# Altium PCB PDM.PcbDoc (part 1 of 4)
Units mm, origin at the board's own origin, x right, y up, seen from the top; angles counter-clockwise.
Board outline 90.17 x 95.89 mm, 6 copper layers (Top Layer (SIG), Layer 1 (GND), Layer 3 (SIG), Layer 4 (PWR), Layer (GND), Bottom Layer (SIG)), stack 0.816 mm thick; 331 components, 196 nets, 1111 pads, 817 vias.
Unrouted connection lines stored in the file: 2.
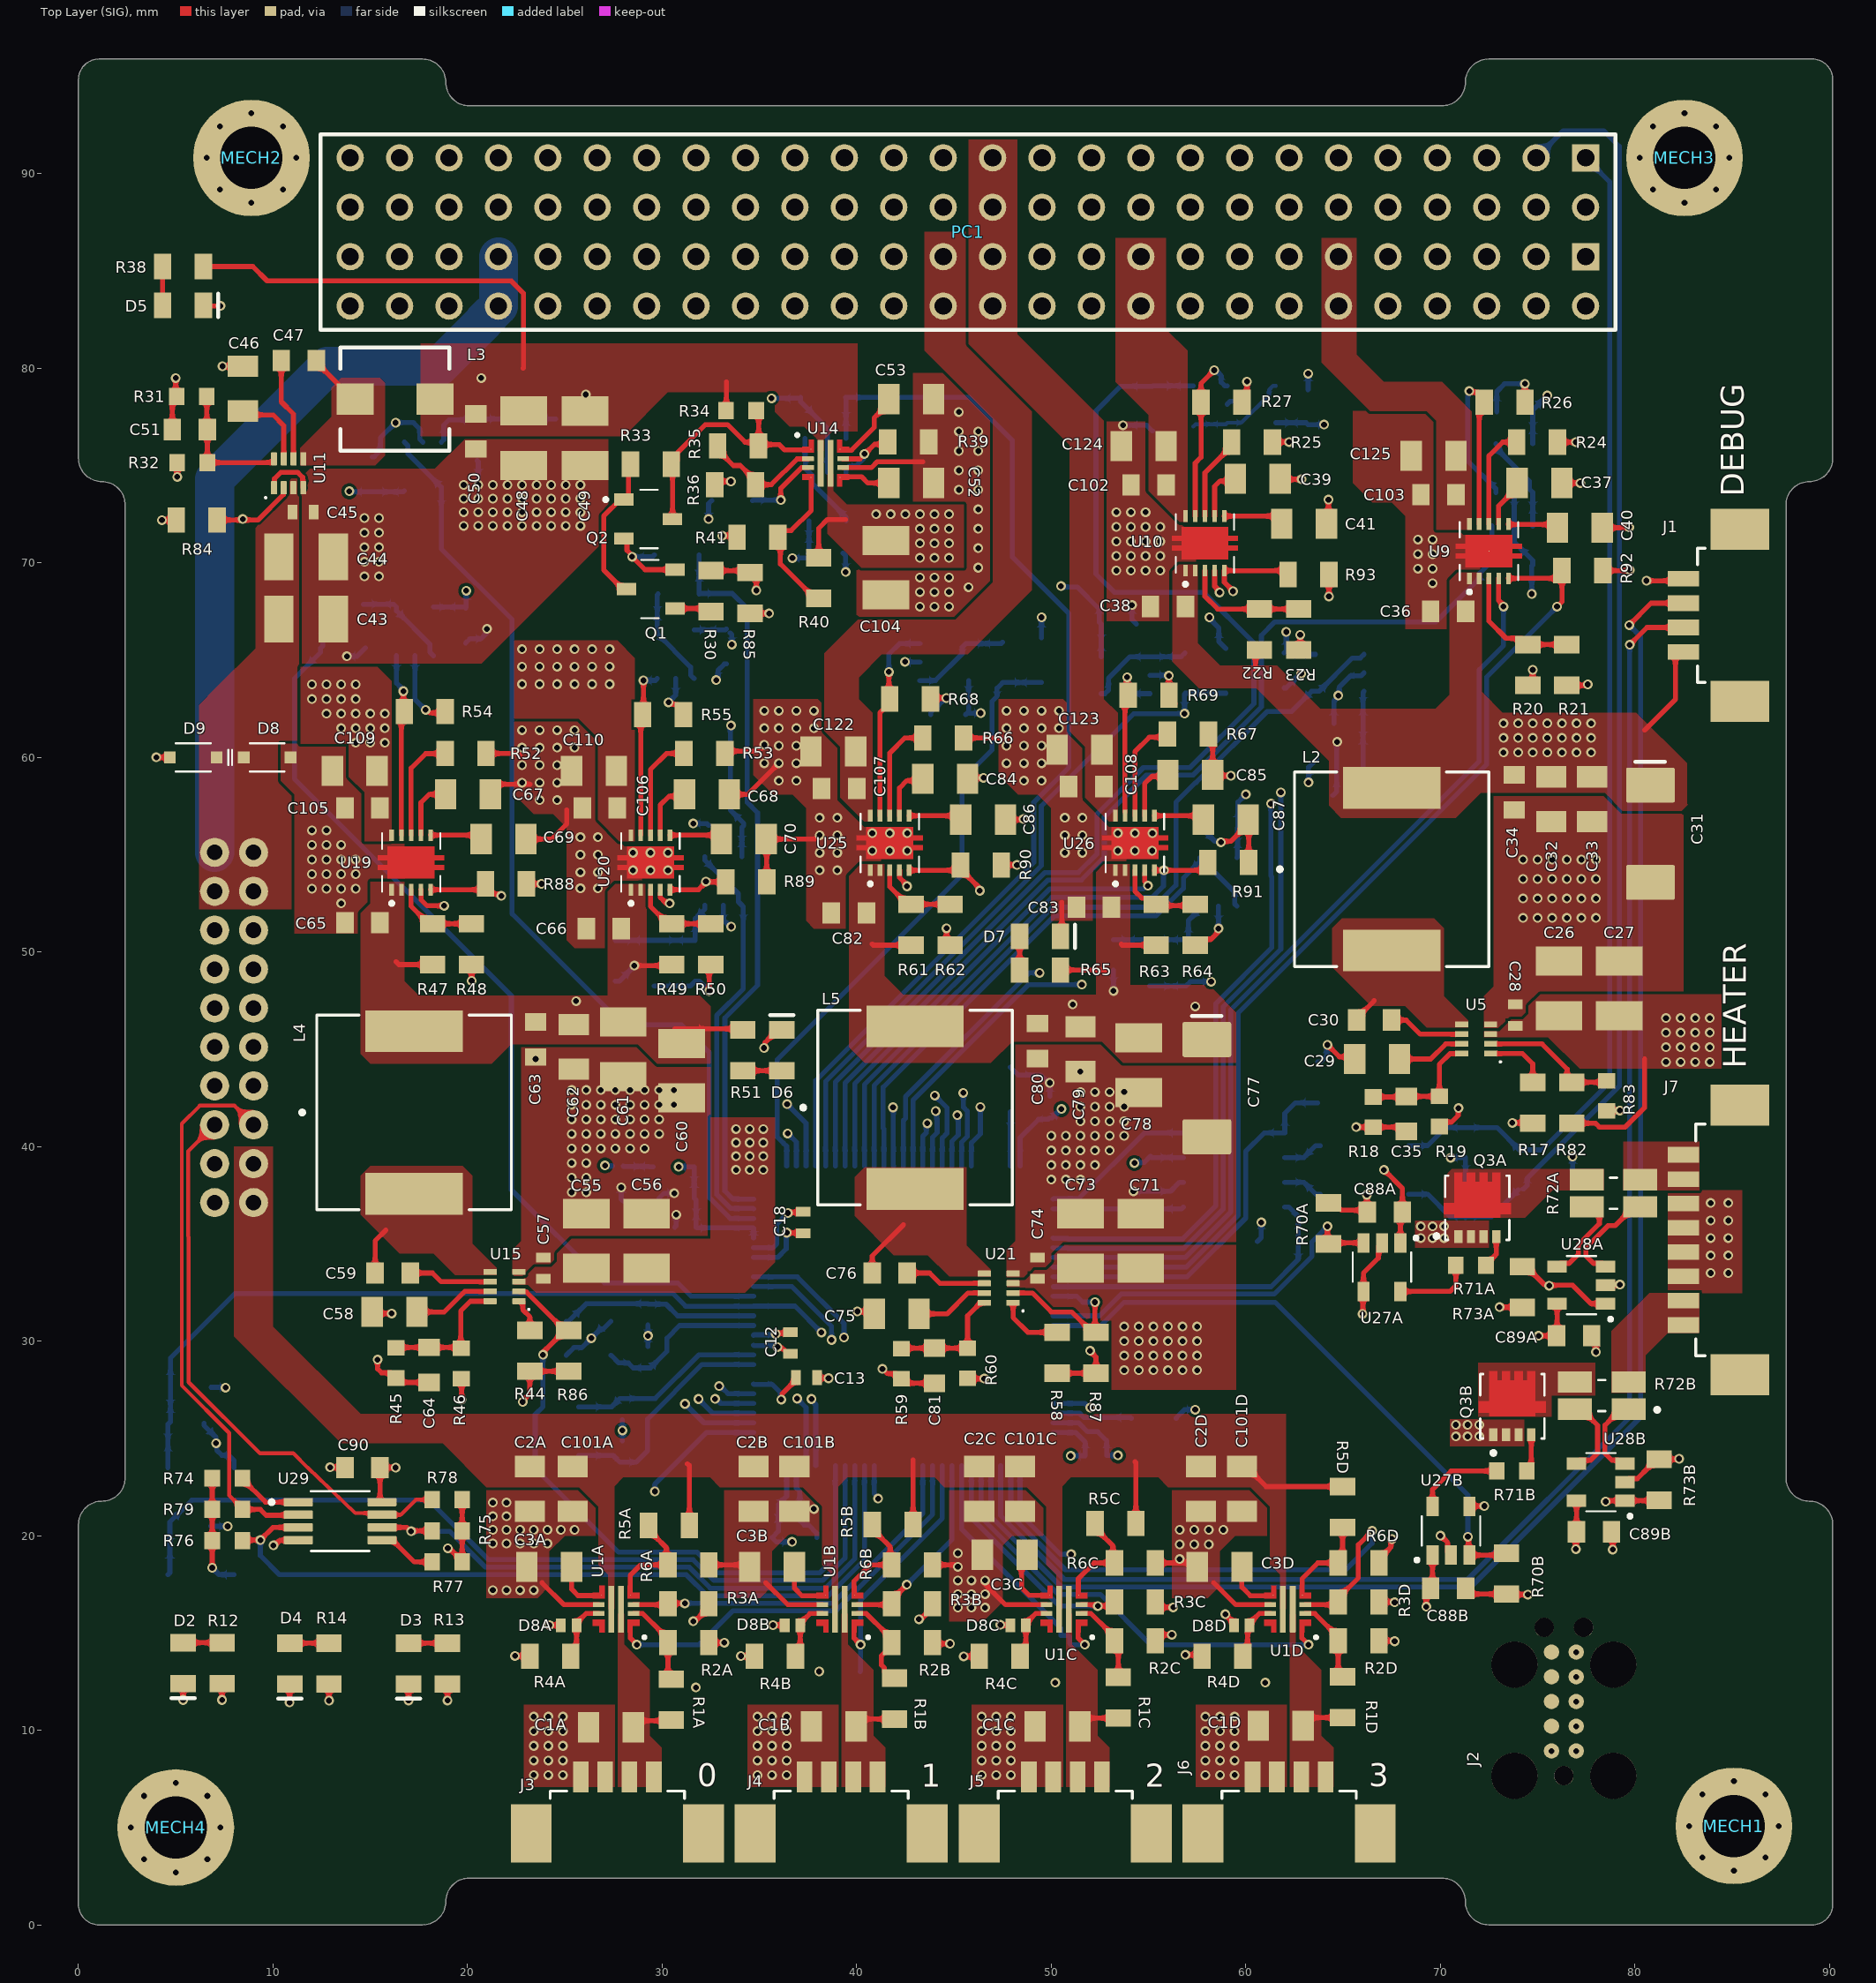
[diagram p0: Top Layer (SIG) view]
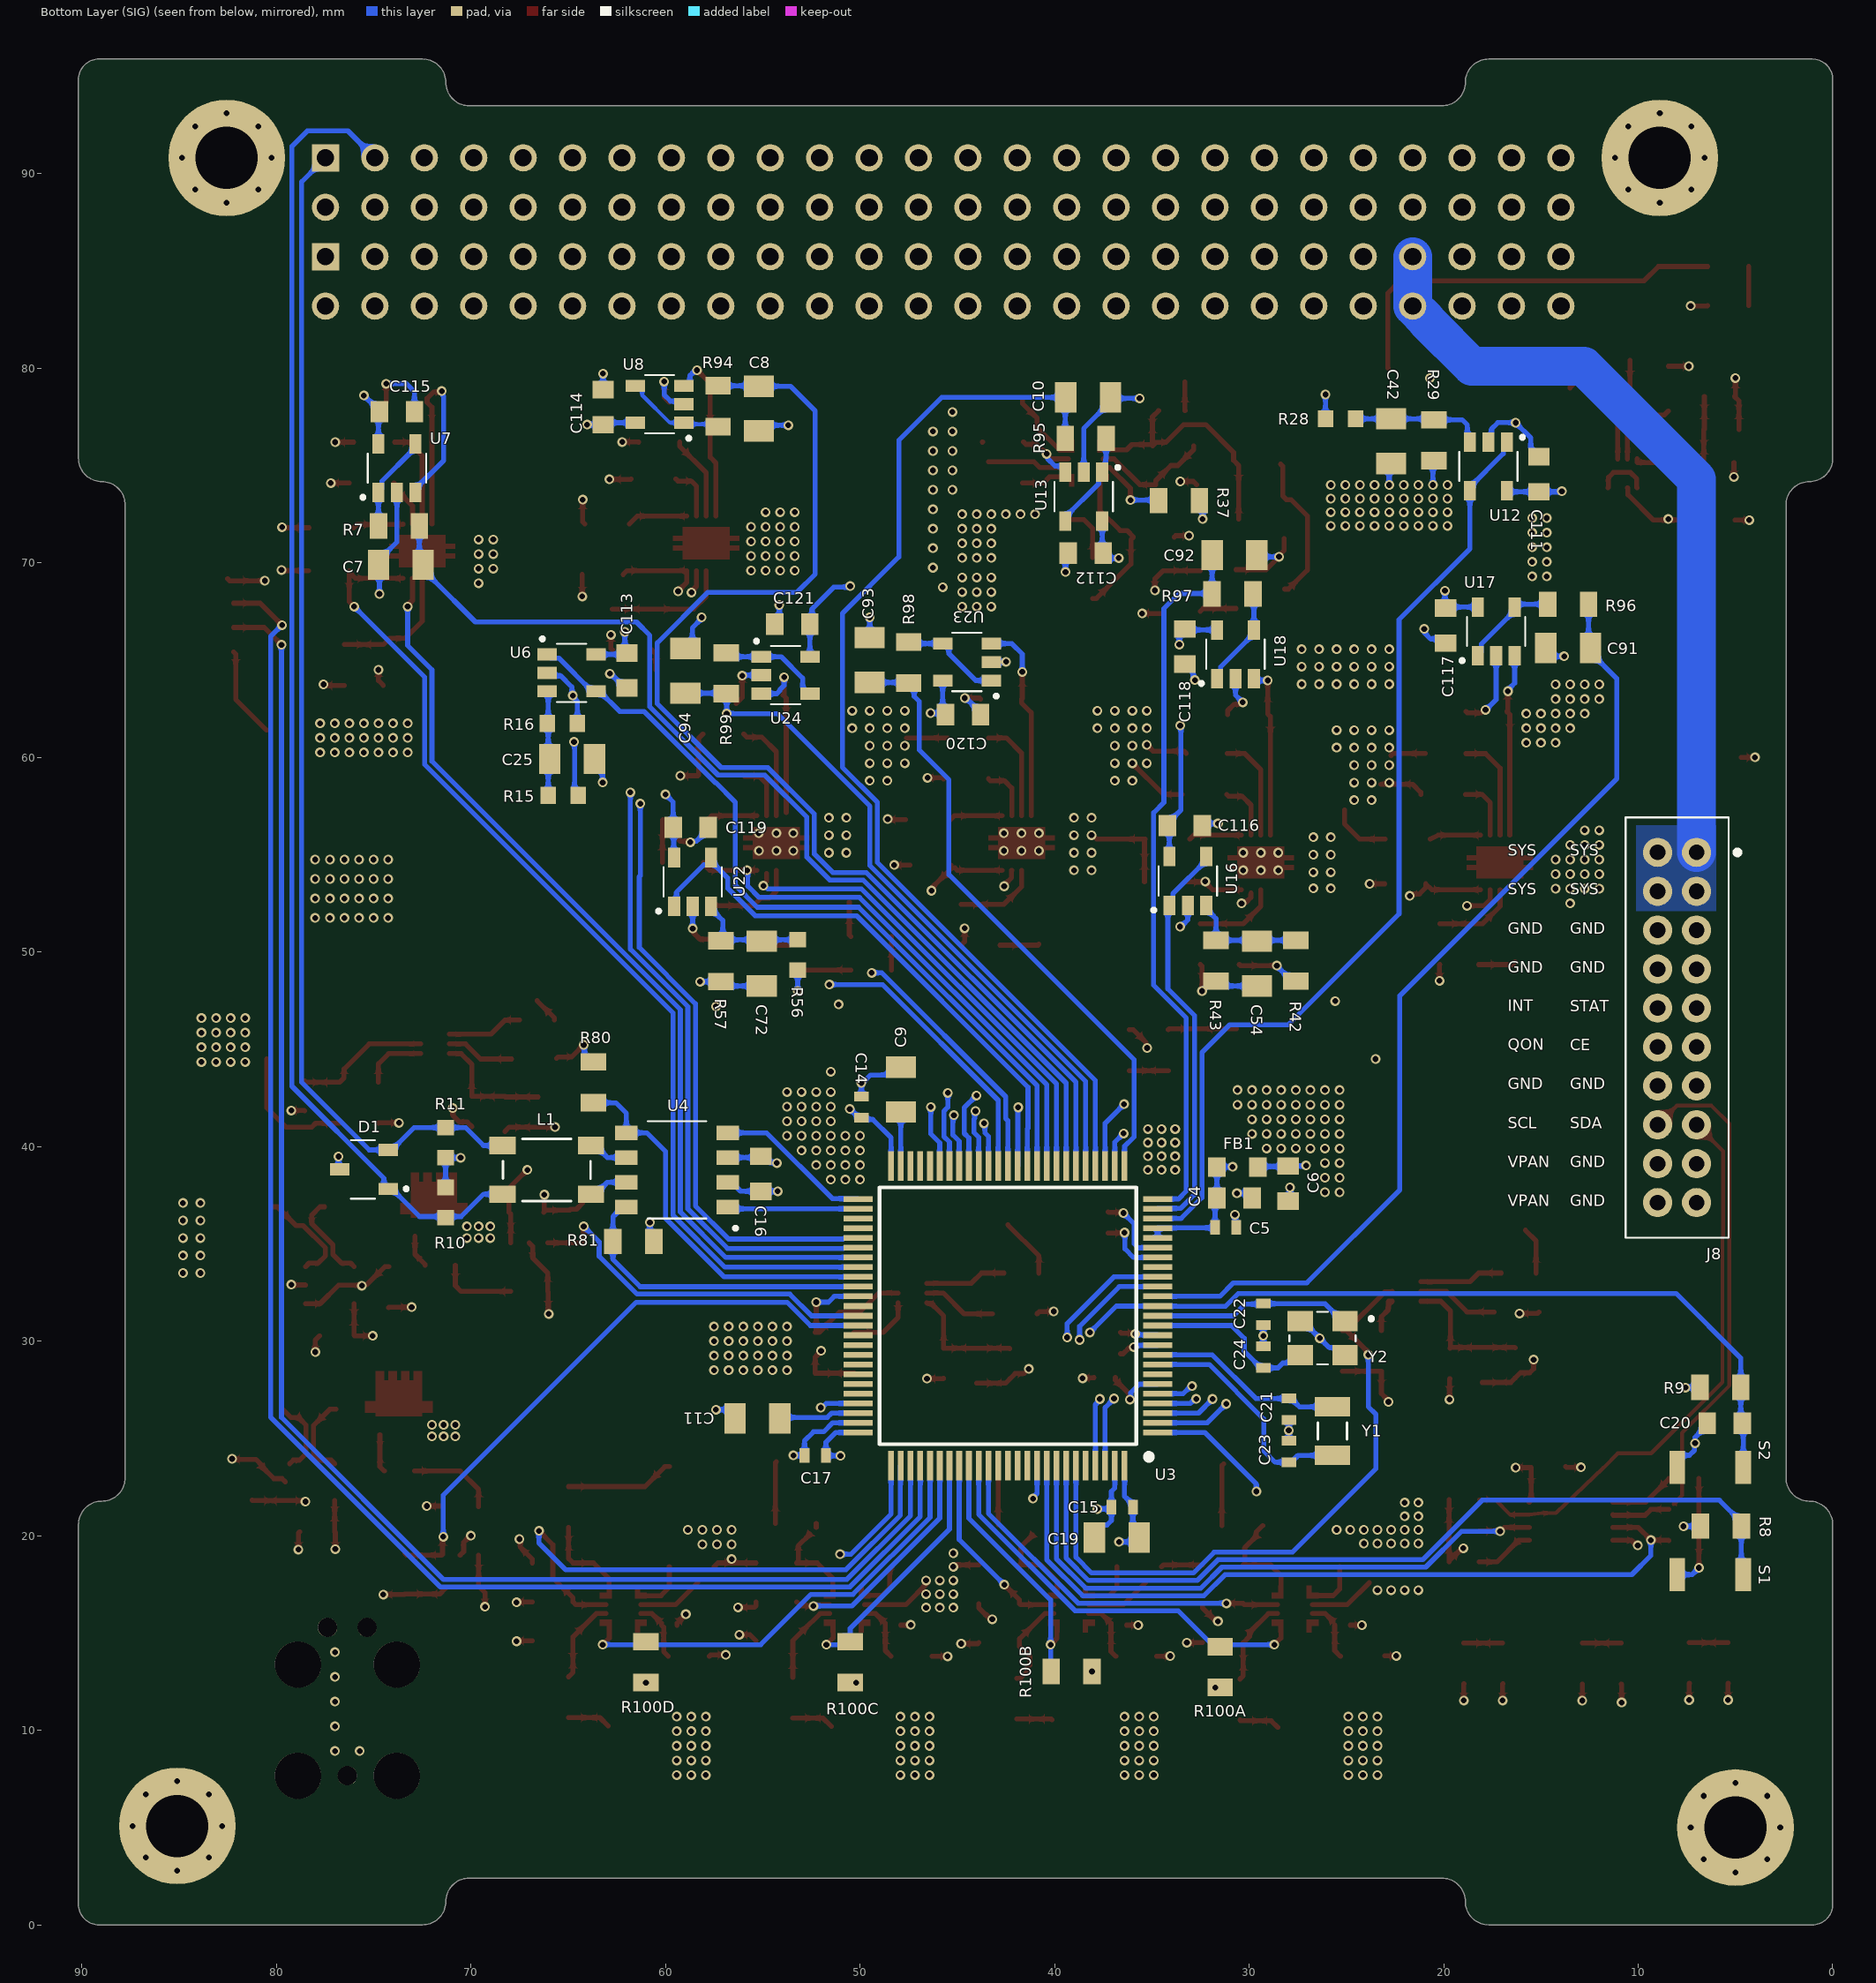
[diagram p1: Bottom Layer (SIG) view, seen from below]
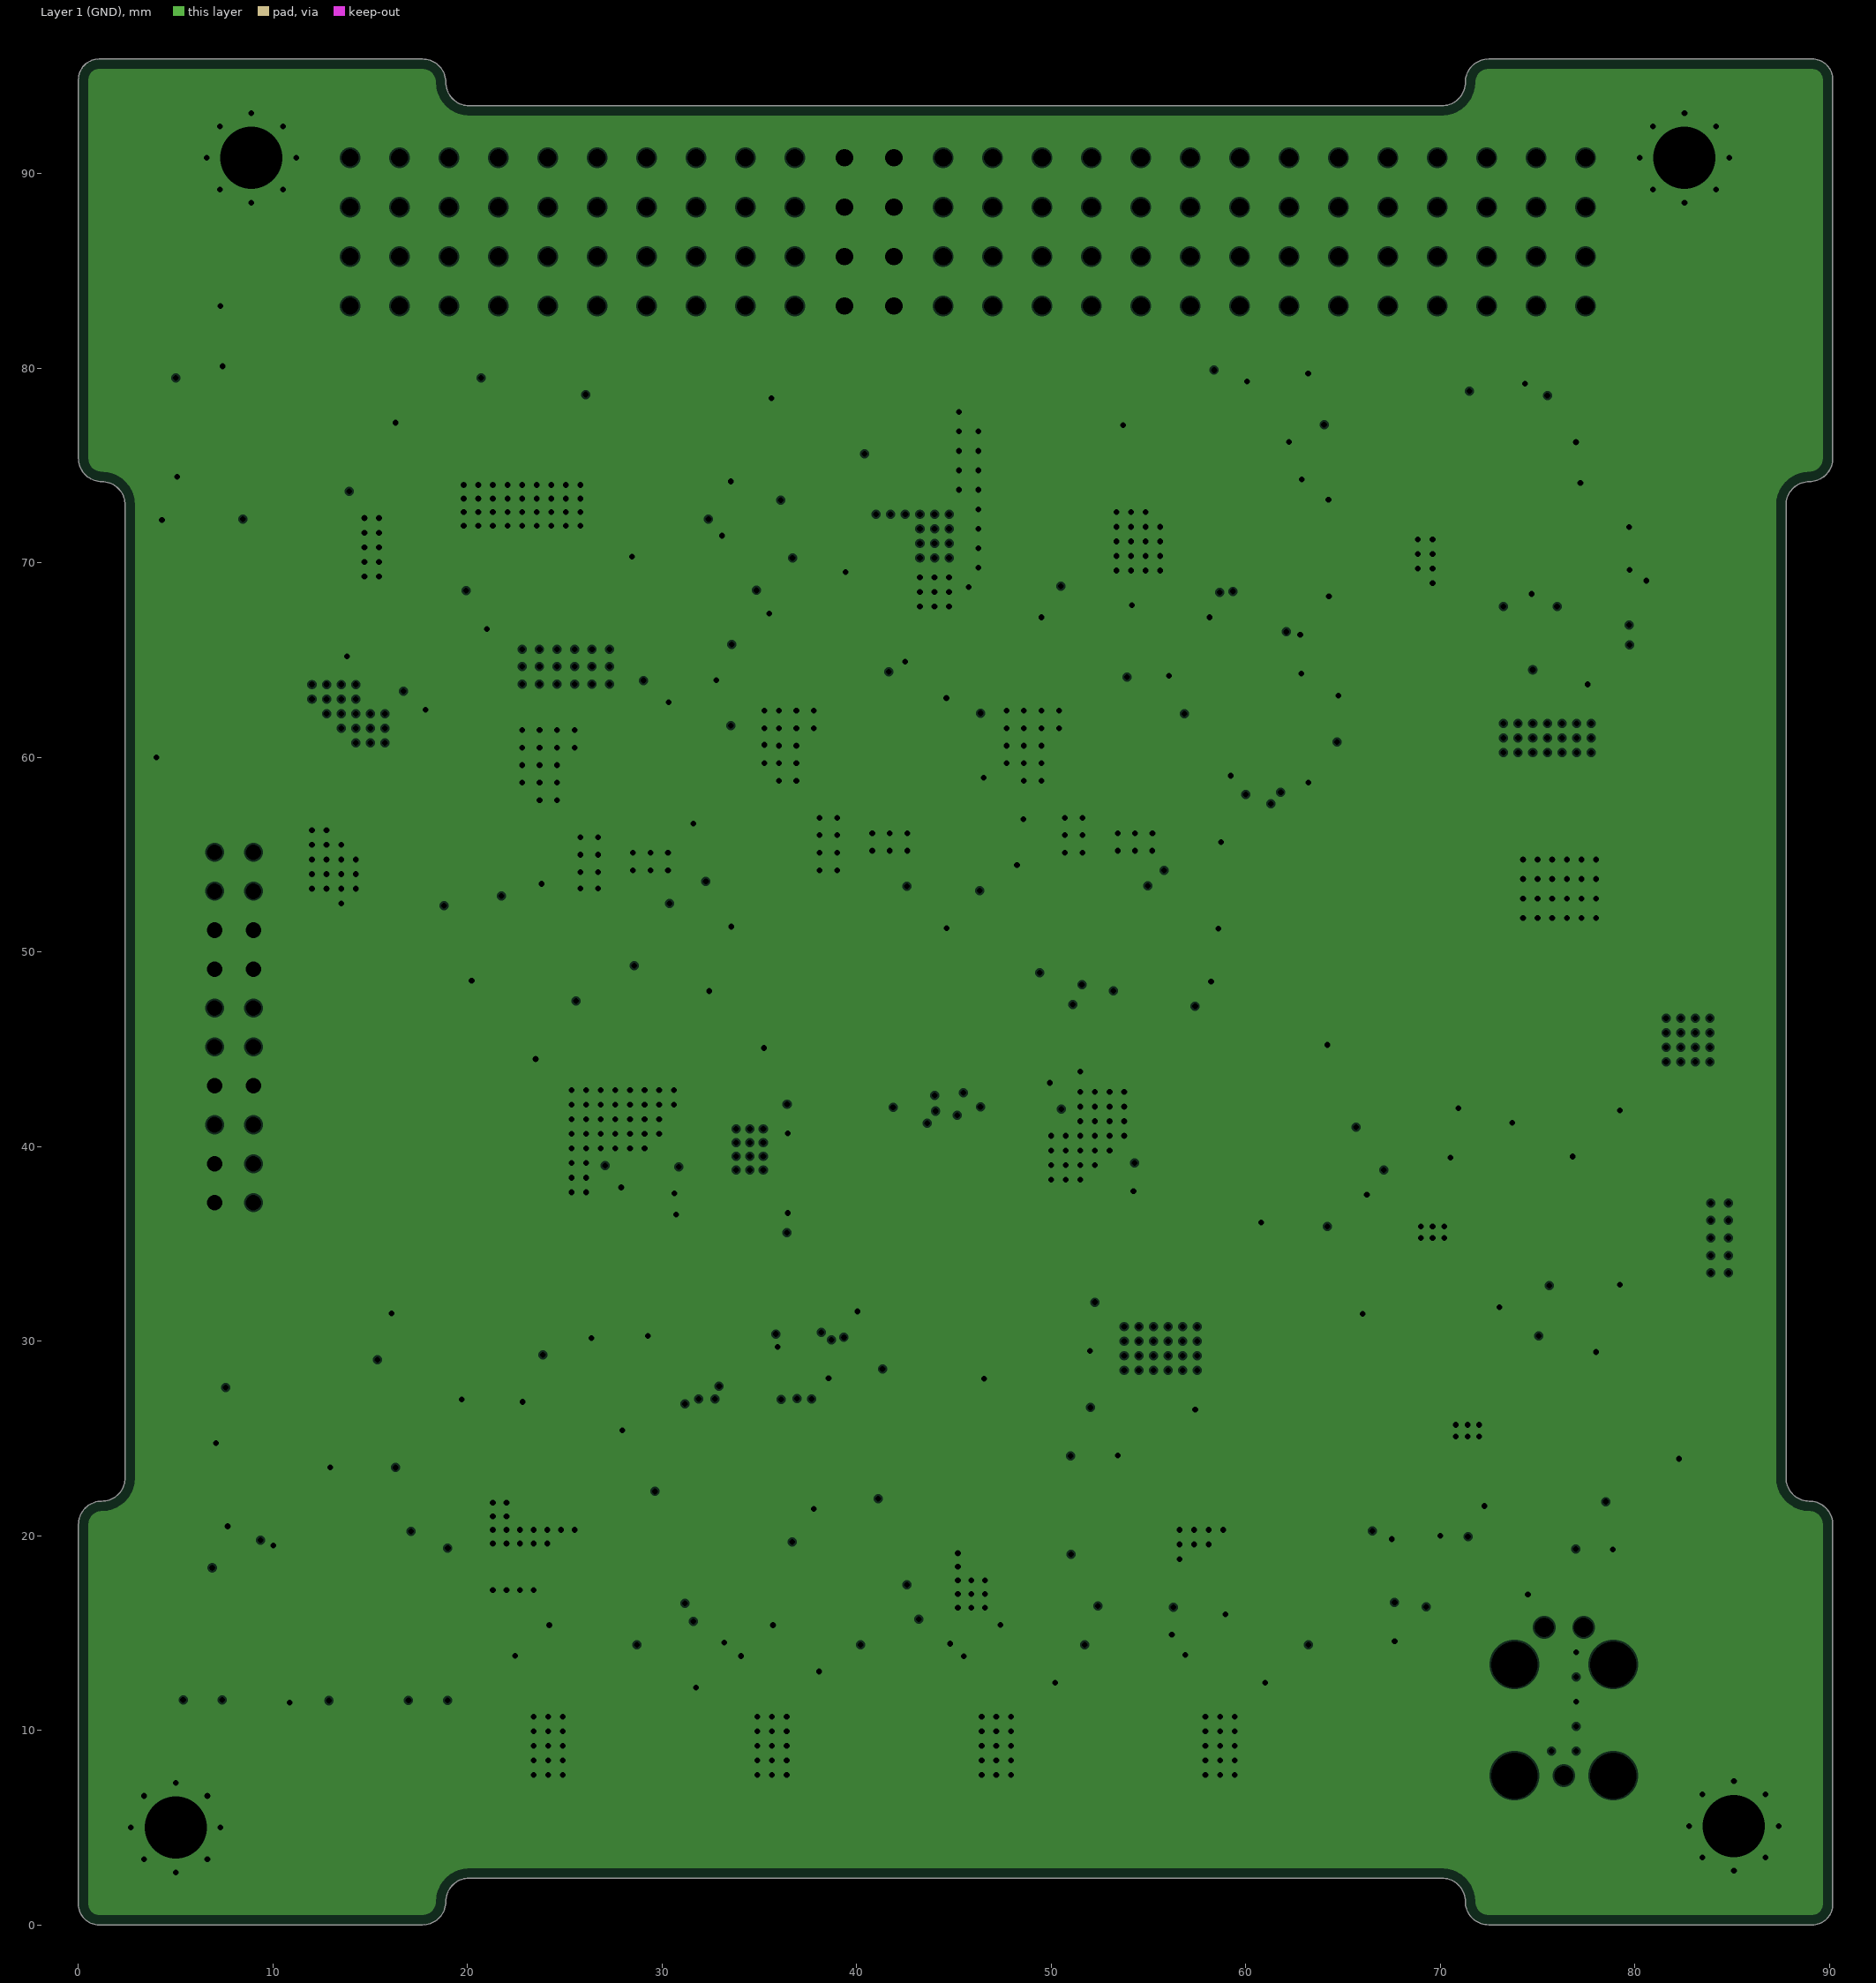
[diagram p2: Layer 1 (GND), clearances drawn from the general rule]
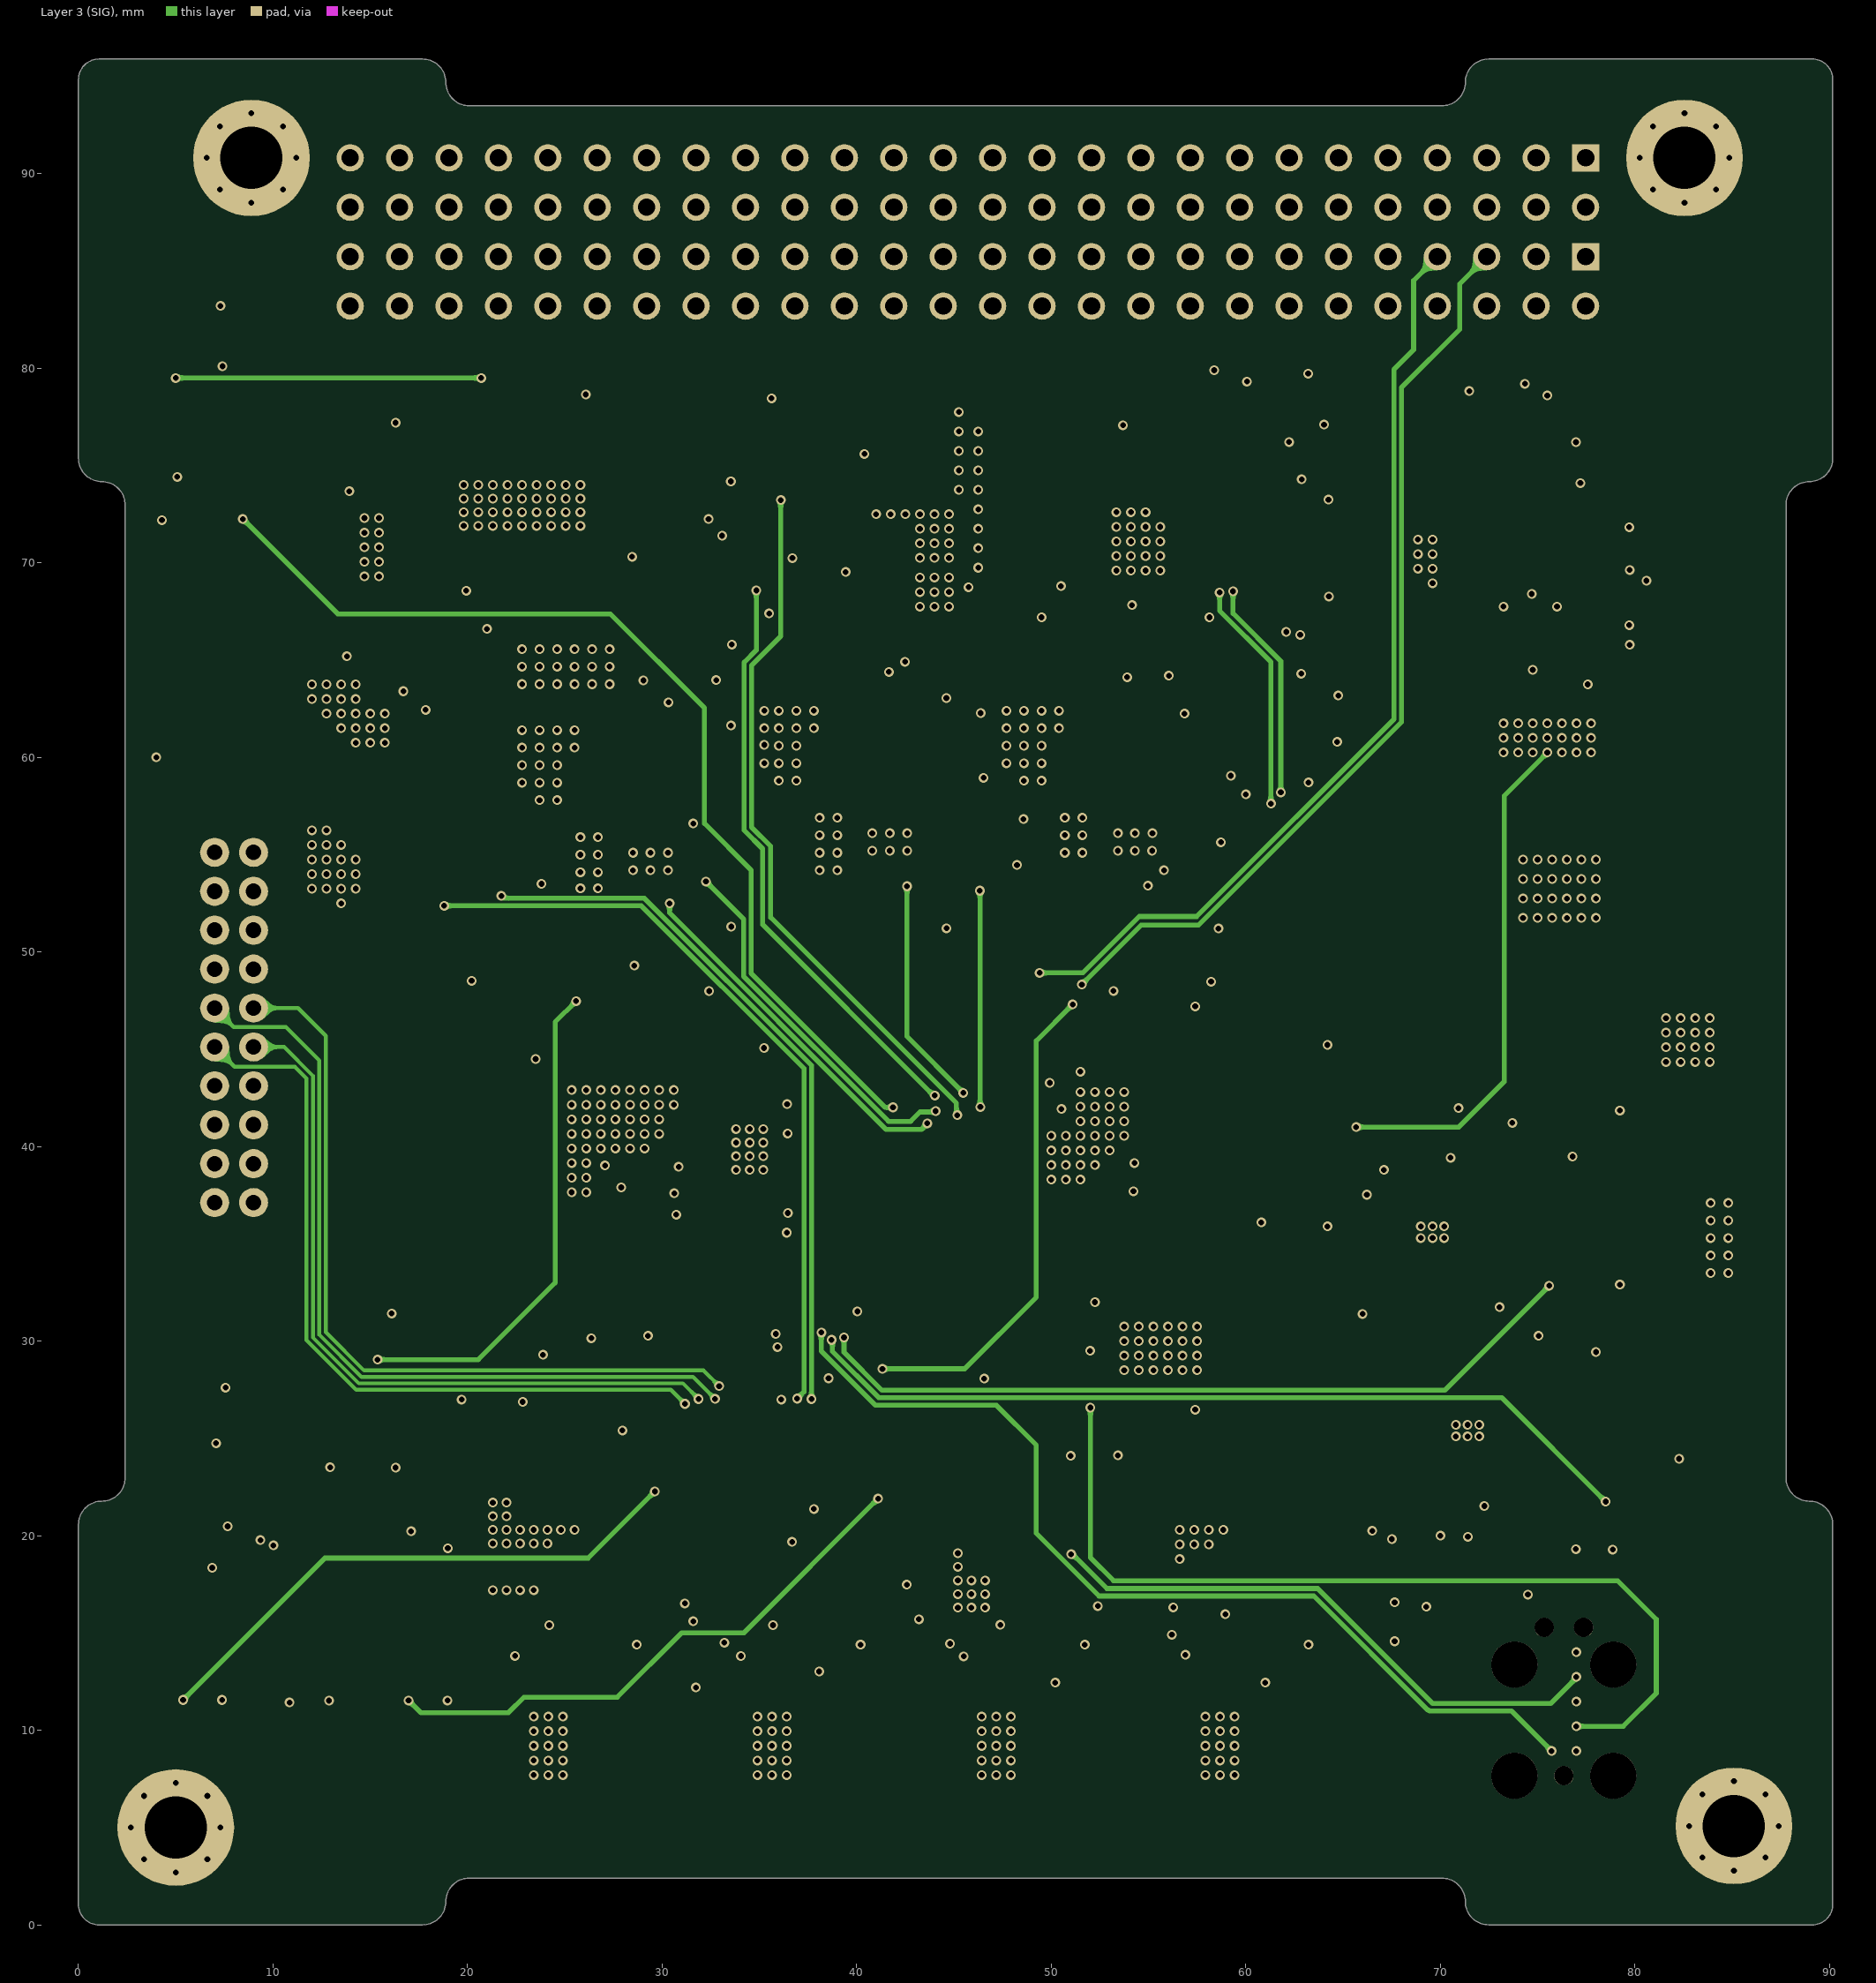
[diagram p3: Layer 3 (SIG)]